# Altium PCB PCB2.PcbDoc
Units mm, origin at the board's own origin, x right, y up, seen from the top; angles counter-clockwise.
Board outline 152.4 x 101.6 mm, 2 copper layers (Top Layer, Bottom Layer); 50 components, 61 nets, 214 pads, 0 vias.
Unrouted connection lines stored in the file: 127.
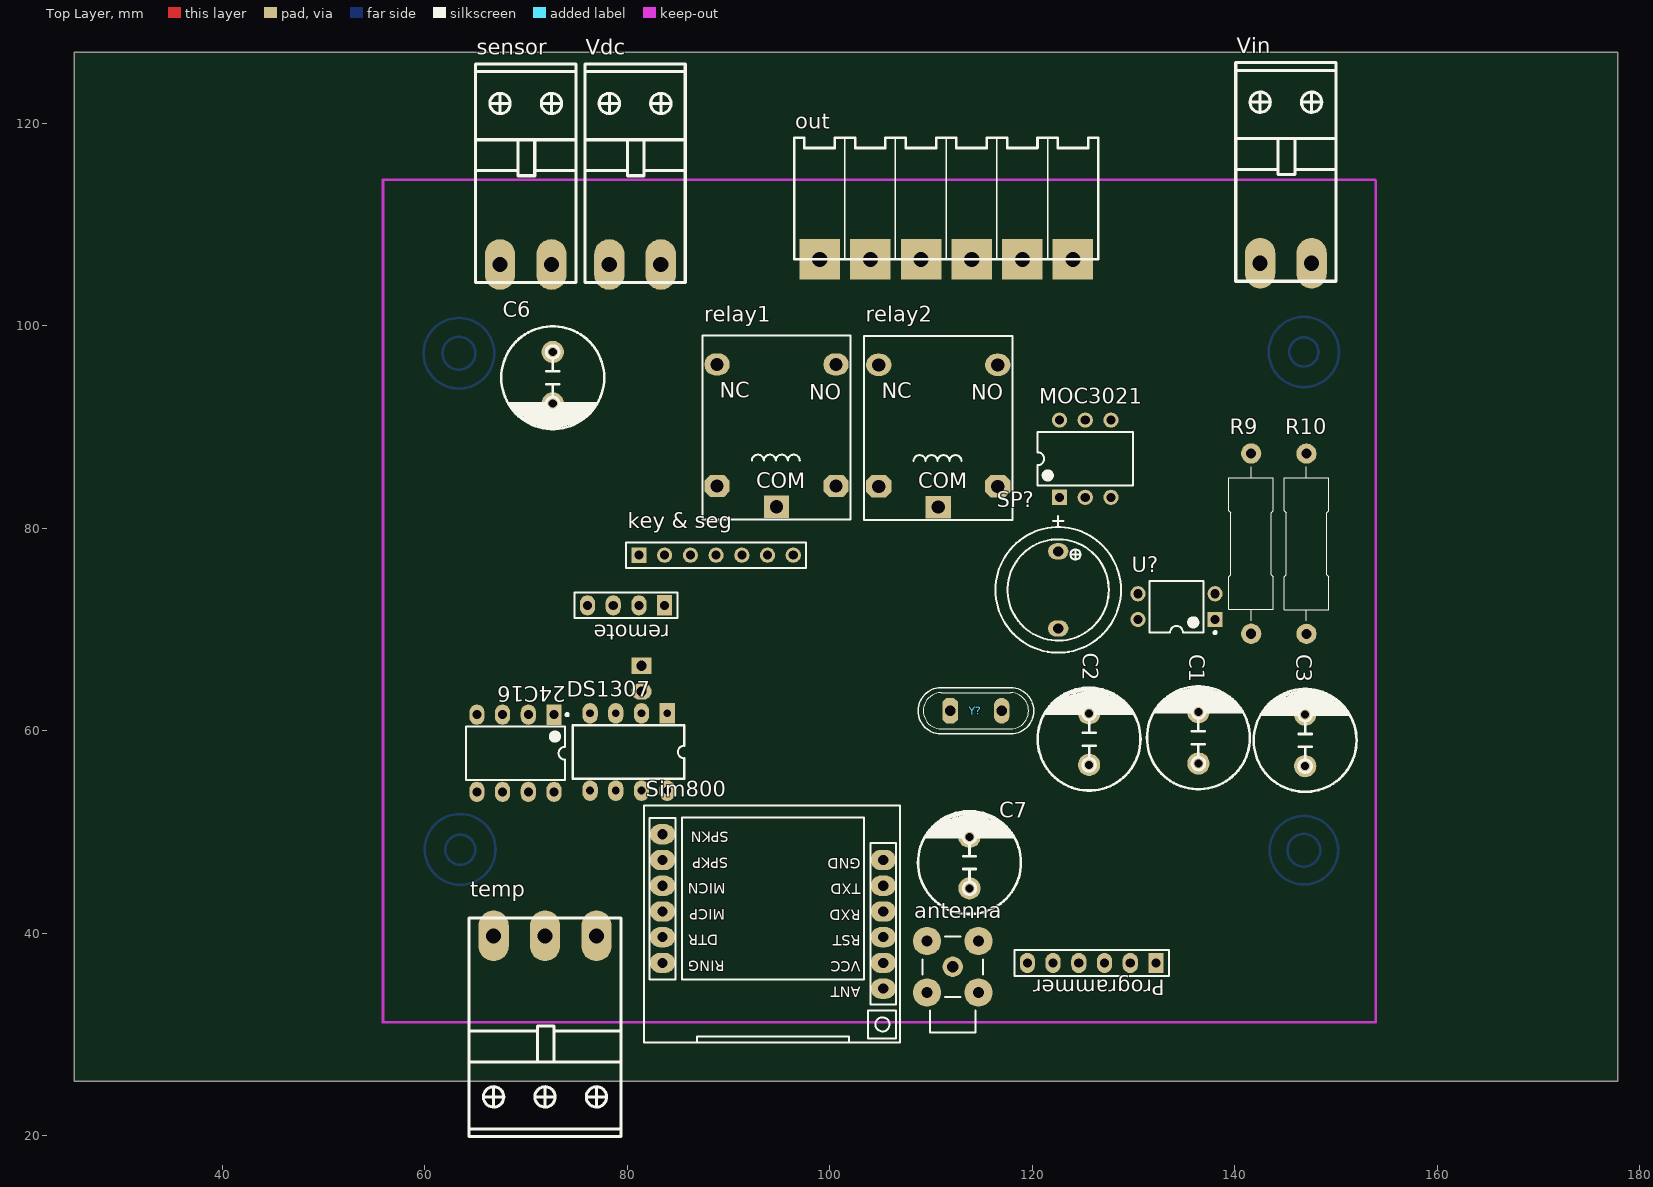
[diagram p0: Top Layer view]
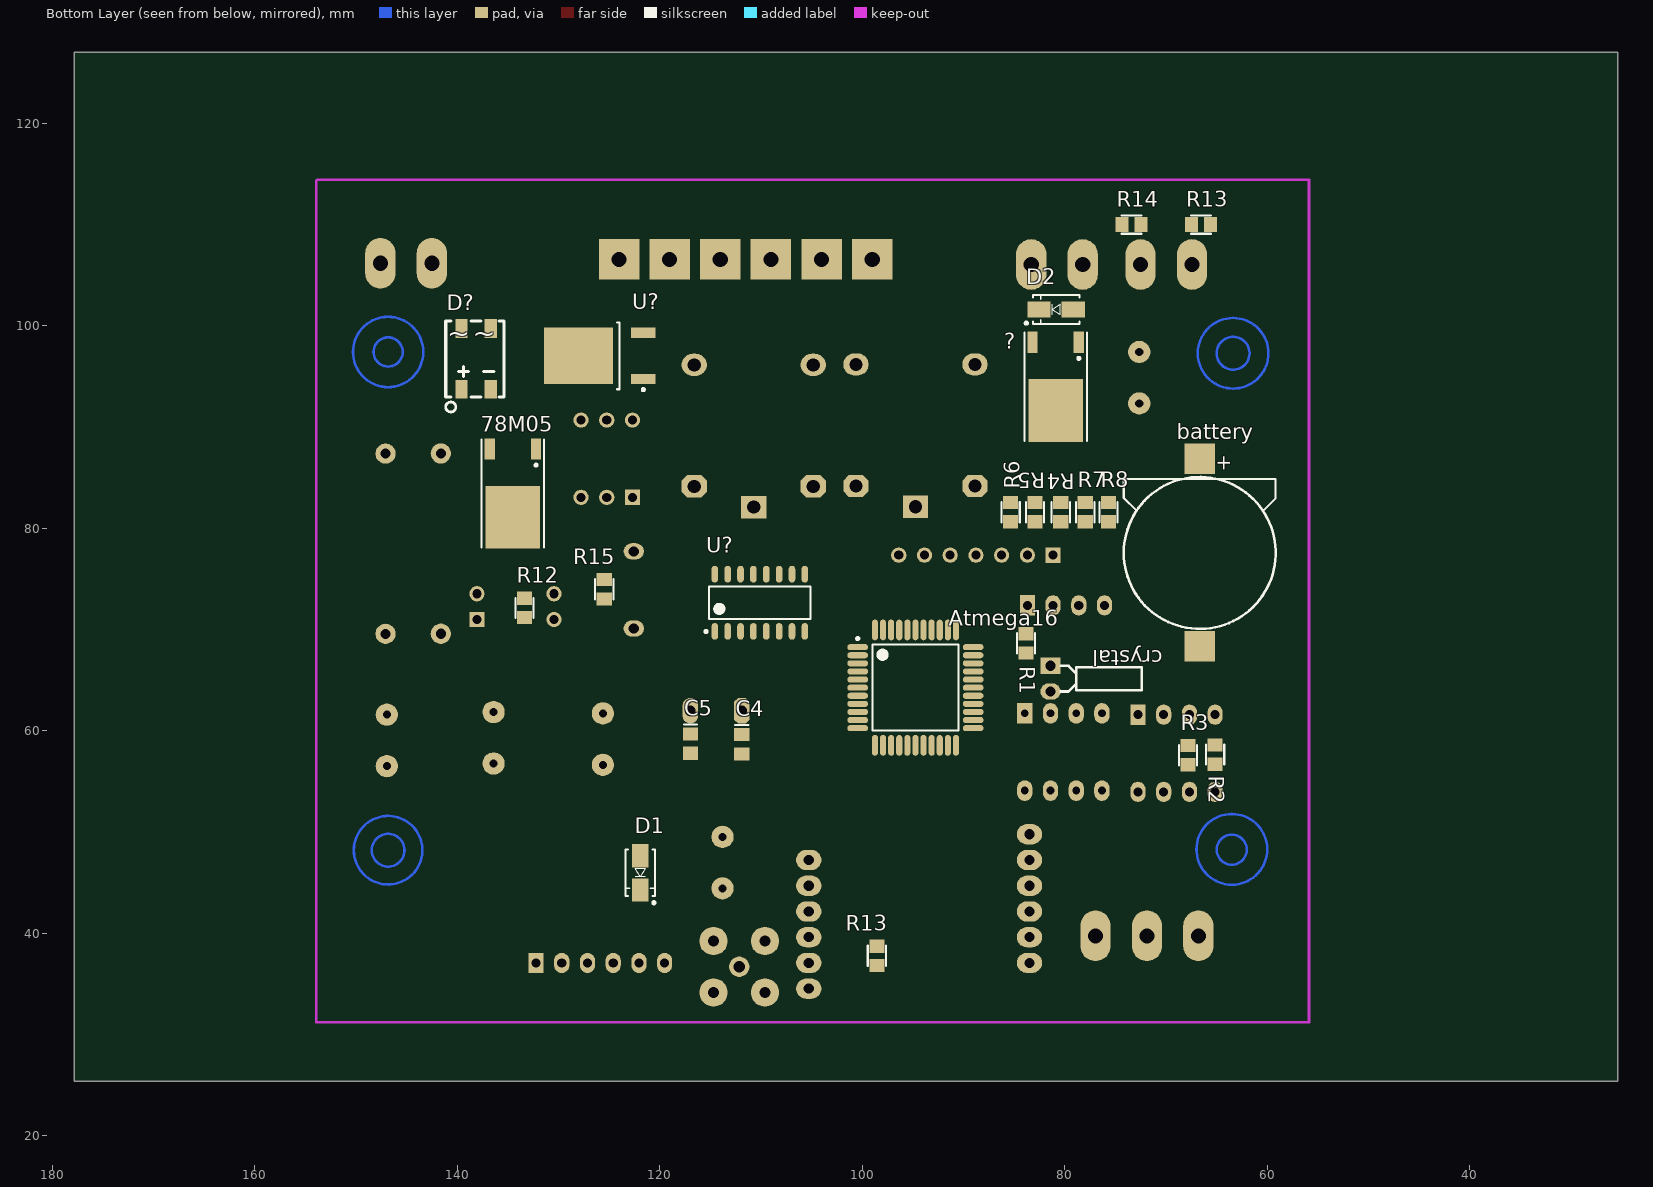
[diagram p1: Bottom Layer view, seen from below]

## Layer stack, top to bottom
Top Solder: solder mask 0.0102, Solder Resist, Dk 3.5
Top Layer: signal copper 0.0356
Dielectric 1: dielectric 0.32, FR-4, Dk 4.8
Bottom Layer: signal copper 0.0356
Bottom Solder: solder mask 0.0102, Solder Resist, Dk 3.5

## Board outline
25.4,25.4 177.8,25.4 177.8,127 25.4,127

## Design rules (kind name [scope] priority, off if disabled: settings)
Clearance [All] p1: gap=0.2 ignorepadtopadclearanceinfootprint=FALSE
PolygonConnect [All] p1: connectstyle=Relief reliefconductorwidth=0.254 reliefentries=4 polygonreliefangle="90 Angle" airgapwidth=0.254
RoutingVias [All] p1: holewidth=0.711 width=1.27 viastyle="Through Hole" minholewidth=0.711 minwidth=1.27 maxholewidth=0.711 maxwidth=1.27
SolderMaskExpansion [All] p1: expansion=0.102 istentingtop=FALSE
Width [All] p1: maxlimit=1.2 minlimit=0.4 preferedwidth=0.5
30 further rules are at their usual default settings.

## Classes and differential pairs
component class Sheet2: 24C16 78M05 ? antenna Atmega16 battery C1 C2 C3 C4 C5 C6 C7 crystal D1 D2 D? DS1307 "key & seg" MOC3021 out Programmer R1 R2 R3 R4 R5 R6 R7 R8 R9 R10 R12 R13 R14 R15 relay1 relay2 remote sensor Sim800 SP? temp U? Vdc Vin Y?

## Components (designator, comment, footprint, x,y, rotation, side; value= is the part's Value field where it differs from the comment)
24C16 "24C02C-I/P" PDIP300-P8 68.961,57.785 r270 top
78M05 "L78M05" TO-252 134.493,84.455 r0 bottom
? "L78M05" TO-252 80.899,94.996 r0 bottom
antenna "ANTENNA" SMA-Right 112.141,36.703 r90 top
Atmega16 "ATmega16-16AU" 44A_M 94.742,64.262 r180 bottom
battery "BATTERY 3V 1220" "BATT SMD" 66.675,86.868 r270 bottom (schematic designator *)
C1 "470uF" CAP_POL5 136.398,56.769 r90 top value=100pF
C2 "470uF" CAP_POL5 125.603,56.642 r90 top value=100pF
C3 "470uF" CAP_POL5 146.939,56.515 r90 top value=100pF
C4 "C0805" 0805 111.887,58.674 r270 bottom value=100pF
C5 "C0805" 0805 116.967,58.735 r270 bottom value=100pF
C6 "470uF" CAP_POL5 72.644,97.409 r270 top value=100pF
C7 "470uF" CAP_POL5 113.792,44.45 r90 top value=100pF
crystal "22pF" XTAL-DT26 81.407,66.421 r270 bottom
D1 "1n4007" DIOM4629X24N 121.92,45.974 r270 bottom
D2 "1n4007" DIOM4629X24N 80.85,101.6 r0 bottom
D? "Diode Bridge" MBF 138.123,96.726 r90 bottom
DS1307 "DS1307" DIP8 83.947,61.722 r180 top
"key & seg" "Header 7" HDR1X7 81.153,77.343 r0 top
MOC3021 "MOC3021-3" DIP-6 125.222,86.868 r90 top
out "PHOENIX 6" "phonix 6" 124.013,106.553 r180 top
Programmer "programmer" HDR1X6 132.207,37.084 r180 top
R1 "RES" CC2012-0805 83.82,68.641 r270 bottom
R2 "RES" CC2012-0805 65.151,57.658 r90 bottom
R3 "RES" CC2012-0805 67.818,57.597 r90 bottom
R4 "RES" CC2012-0805 80.391,81.595 r90 bottom
R5 "RES" CC2012-0805 82.931,81.595 r90 bottom
R6 "RES" CC2012-0805 85.344,81.595 r90 bottom
R7 "RES" CC2012-0805 77.978,81.595 r90 bottom
R8 "RES" CC2012-0805 75.692,81.595 r90 bottom
R9 "1K" "Axial 1W  7_0mm" 141.605,78.486 r270 top
R10 "1K" "Axial 1W  7_0mm" 147.066,78.476 r270 top
R12 "RES" CC2012-0805 133.35,72.136 r90 bottom
R13 "RES" CC2012-0805 66.548,109.982 r180 bottom
R13 "RES" CC2012-0805 98.552,37.785 r270 bottom
R14 "RES" CC2012-0805 73.406,109.982 r0 bottom
R15 "RES" CC2012-0805 125.476,73.98 r90 bottom
relay1 "" "Relay 18.85x15.35x15.70" 94.742,89.154 r0 top
relay2 "" "Relay 18.85x15.35x15.70" 110.711,89.114 r0 top
remote "remote" HDR1X4 83.693,72.39 r180 top
sensor "PHONIX2" PHONIX2 72.517,106.045 r0 top
Sim800 "SIM800L" SIM800L_L250W236H60 94.383,42.164 r180 top
SP? "" "BUZZER 7.62mm DC" 122.555,73.914 r270 top
temp "PHONIX3" PHONIX3 76.962,39.751 r180 top
U? "L78M05ACDT-TR" TO-252_M 125.916,97.028 r0 bottom
U? "Optoisolator1" DIP-4 134.239,72.263 r180 top
U? "ULN2003D1013TR" STM-SO-16_M 110.109,72.644 r90 bottom
Vdc "PHONIX2" PHONIX2 83.312,106.045 r0 top
Vin "PHONIX2" PHONIX2 147.574,106.172 r0 top
Y? "6 MHz" My_Crystal 114.427,61.976 r0 top

## Footprints (in the part's own frame and the unit in brackets; to place one, negate y for a bottom-side part, rotate by r counter-clockwise, add the part's x,y. Pads: shape width x height; smd on the part's side, far side on the other; paste and mask are expansions set on the pad)
44A_M [mm] "Thin QFP, 44-Leads, Body 10x10mm, Pitch 0.8mm, IPC Low Density"
  oval 2.05x0.6 smd: 1(-5.7,4) 2(-5.7,3.2) 3(-5.7,2.4) 4(-5.7,1.6) 5(-5.7,0.8) 6(-5.7,0) 7(-5.7,-0.8) 8(-5.7,-1.6) 9(-5.7,-2.4) 10(-5.7,-3.2) 11(-5.7,-4) 23(5.7,-4) 24(5.7,-3.2) 25(5.7,-2.4) 26(5.7,-1.6) 27(5.7,-0.8) 28(5.7,0) 29(5.7,0.8) 30(5.7,1.6) 31(5.7,2.4) 32(5.7,3.2) 33(5.7,4)
  oval 0.6x2.05 smd: 12(-4,-5.7) 13(-3.2,-5.7) 14(-2.4,-5.7) 15(-1.6,-5.7) 16(-0.8,-5.7) 17(0,-5.7) 18(0.8,-5.7) 19(1.6,-5.7) 20(2.4,-5.7) 21(3.2,-5.7) 22(4,-5.7) 34(4,5.7) 35(3.2,5.7) 36(2.4,5.7) 37(1.6,5.7) 38(0.8,5.7) 39(0,5.7) 40(-0.8,5.7) 41(-1.6,5.7) 42(-2.4,5.7) 43(-3.2,5.7) 44(-4,5.7)
  silkscreen extent -5.82,-4.25 4.25,4.97, body extent -5,-5 5,5, height 1.2
0805 [mm] "Chip Capacitor; Body 2.0 x 1.2 mm (LxW typ)"
  rect 1.3x1.5 smd: 1(-0.95,0) 2(0.95,0)
  silkscreen extent -1.9,-0.65 -1.9,0.65
"Axial 1W  7_0mm" [mm] "Designer Abbas Basereh"
  round 2 hole 1: 1(8.9,0) 2(-8.9,0)
  silkscreen extent -7.6,-2.2 7.6,2.2, body extent -9.26,-2.25 9.27,2.25, height 5.22
"BATT SMD" [mm]
  rect 3x3 smd: 1(0,0) 2(18.5,0)
  silkscreen extent 1.8,-7.5 16.8,7.5, body extent -0.28,-7.25 18.52,7.5, height 4.23
"BUZZER 7.62mm DC" [mm] "BUZZER 12mm DIA , 7.62mm pitch DESIGNER ABBAS BASEREH"
  oval 1.6x2 hole 1: 1(-3.81,0) 2(3.81,0)
  silkscreen extent -7.3,-6.2 6.2,6.2, body extent -6,-6 6,6, height 9.5
CAP_POL5 [mm]
  round 2.2 hole 0.8: 1(0,0) 2(5.08,0)
  silkscreen extent -2.54,-5.08 7.62,5.08, body extent -1.5,-4 6.5,4, height 12
CC2012-0805 [mm] "Surface Mount Capacitor; 0805 Case Size"
  rect 1.3x1.5 smd: 1(-0.95,0) 2(0.95,0)
  silkscreen extent -1,-0.9 1,0.9
DIOM4629X24N [mm] "Molded Diode, 2-Leads, Body 4/60x2/90mm, IPC Medium Density-Design:Abbas Basereh"
  rect 2.3x1.6 smd: 1(-1.7,0) 2(1.7,0)
  silkscreen extent -2.3,-1.45 3.07,1.47, body extent -2.5,-1.22 2.5,1.48, height 2.2
DIP8 [mil]
  rect 60x80 hole 30: 1(0,0)
  oval 60x80 hole 30: 2(100,0) 3(200,0) 4(300,0) 5(300,300) 6(200,300) 7(100,300) 8(0,300)
  silkscreen extent -67,46 367,254
DIP-4 [mm] "DIP; 4 Leads; Row Spacing 7.62 mm; Pitch 2.54 mm"
  rect 1.5x1.5 hole 0.9: 1(-3.81,1.27)
  round 1.5 hole 0.9: 2(-3.81,-1.27) 3(3.81,-1.27) 4(3.81,1.27)
  silkscreen extent -3.94,-2.55 2.65,2.69, body extent -3.15,-2.5 3.15,2.5, height 5.6
DIP-6 [mm] "DIP; 6 Leads; Row Spacing 7.62 mm; Pitch 2.54 mm"
  rect 1.5x1.5 hole 0.9: 1(-3.81,2.54)
  round 1.5 hole 0.9: 2(-3.81,0) 3(-3.81,-2.54) 4(3.81,-2.54) 5(3.81,0) 6(3.81,2.54)
  silkscreen extent -2.65,-4.7 2.65,4.7
HDR1X4 [mm] "Connector; Header; 4 Position"
  rect 1.5x2 hole 0.9: 1(0,0)
  oval 1.5x2 hole 0.9: 2(2.54,0) 3(5.08,0) 4(7.62,0)
  silkscreen extent -1.27,-1.27 8.89,1.27, body extent -1.27,-1.28 8.89,1.26, height 8.38
HDR1X6 [mm] "Connector; Header; 6 Position"
  rect 1.5x2 hole 0.9: 1(0,0)
  oval 1.5x2 hole 0.9: 2(2.54,0) 3(5.08,0) 4(7.62,0) 5(10.16,0) 6(12.7,0)
  silkscreen extent -1.27,-1.27 13.97,1.27, body extent -1.26,-1.25 13.98,1.29, height 8.38
HDR1X7 [mm] "Connector; Header; 7 Position"
  rect 1.5x1.5 hole 0.9: 1(0,0)
  round 1.5 hole 0.9: 2(2.54,0) 3(5.08,0) 4(7.62,0) 5(10.16,0) 6(12.7,0) 7(15.24,0)
  silkscreen extent -1.27,-1.27 16.51,1.27
MBF [mm]
  rect 1.85x1.2 smd: 1(-3,1.45) 2(-3,-1.45) 3(3,-1.45) 4(3,1.45)
  silkscreen extent -5.25,-2.75 3.75,3, body extent -3.5,-2.45 3.4,2.55, height 1.45
My_Crystal [mil]
  oct 60x100 hole 40: 1(-100,0)
  oval 60x100 hole 40: 2(100,0)
  silkscreen extent -225,-90 225,90
PDIP300-P8 [mm] "8-Pin Plastic Dual In-Line Package (PDIP)"
  rect 2x1.5 hole 0.9: 1(-3.81,3.81)
  oval 2x1.5 hole 0.9: 2(-3.81,1.27) 3(-3.81,-1.27) 4(-3.81,-3.81) 5(3.81,-3.81) 6(3.81,-1.27) 7(3.81,1.27) 8(3.81,3.81)
  silkscreen extent -3.93,-4.9 2.65,5.24, body extent -3.55,-4.9 3.55,4.9, height 4.32
PHONIX2 [mm]
  oval 3x5 hole 1.5: 1(0,0) 2(-5.08,0)
  silkscreen extent -7.49,-1.78 2.41,19.81
PHONIX3 [mm]
  oval 3x5 hole 1.5: 1(0,0) 2(5.08,0) 3(10.16,0)
  silkscreen extent -2.41,-1.78 12.57,19.81
"phonix 6" [mm]
  rect 4x4 hole 1.5: 1(0,0) 2(5,0) 3(10,0) 4(15,0) 5(20,0) 6(25,0)
  silkscreen extent -2.49,-11.99 27.53,0
"Relay 18.85x15.35x15.70" [mm]
  rect 2.5x2.2 hole 1.3: 1(0,-7.025)
  oval 2.5x2.2 hole 1.3: 2(-5.875,7.025) 3(5.875,7.025)
  oct 2.5x2.2 hole 1.3: 4(-5.875,-4.975) 5(5.875,-4.975)
  silkscreen extent -7.33,-8.28 7.33,9.88, body extent -7.37,-8.71 7.63,9.98, height 15.7
SIM800L_L250W236H60 [mm] "GSM/GPRS Module 25x23/6mm"
  oval 2.5x2 hole 1: 1(-10.9,7.62) 2(-10.9,5.08) 3(-10.9,2.54) 4(-10.9,0) 5(-10.9,-2.54) 6(-10.9,-5.08) 7(10.9,-7.62) 8(10.9,-5.08) 9(10.9,-2.54) 10(10.9,0) 11(10.9,2.54) 12(10.9,5.08)
  silkscreen extent -12.55,-10.45 12.72,12.95, body extent -12.55,-10.45 12.73,12.95, height 12.24
SMA-Right [mm]
  round 2 hole 1.1: 1(0,0)
  round 2.8 hole 1.1: 2(-2.54,-2.54) 2(-2.54,2.54) 2(2.54,-2.54) 2(2.54,2.54)
  silkscreen extent -6.5,-3 3,3, body extent -11.6,-3.5 3.5,3.5, height 9.86
STM-SO-16_M [mm] "SOIC, 16-Leads, Body 10x4mm, Pitch 1.27mm, IPC Low Density"
  oval 1.65x0.65 smd: 1(-2.825,4.445) 2(-2.825,3.175) 3(-2.825,1.905) 4(-2.825,0.635) 5(-2.825,-0.635) 6(-2.825,-1.905) 7(-2.825,-3.175) 8(-2.825,-4.445) 9(2.825,-4.445) 10(2.825,-3.175) 11(2.825,-1.905) 12(2.825,-0.635) 13(2.825,0.635) 14(2.825,1.905) 15(2.825,3.175) 16(2.825,4.445)
  silkscreen extent -2.95,-5 1.6,5.45, body extent -2,-5 2,5, height 1.75
TO-252 [mm] "D-PAK/TO-252-AA; 3 Leads (1 Cropped); Body 10.1 (inc. leads) x 6.6 mm (LxW max)"
  rect 1x2.1 smd: 1(-2.285,-3.375) 3(2.285,-3.375)
  rect 5.4x6.2 smd: 4(0,3.375)
  silkscreen extent -3.08,-4.33 3.08,6.37, body extent -3.27,-4.11 3.27,5.83, height 2.39
TO-252_M [mm] "D-PAK, 4-Leads, Body 6.1x6.5mm, Pitch 2.28mm, Lead Span 9.7mm, IPC Low Density"
  rect 2.4x1 smd: 1(-4.3,2.28) 3(-4.3,-2.28)
  rect 6.8x5.55 smd: 4(2.1,0)
  silkscreen extent -4.42,-3.3 -1.7,3.45, body extent -1.95,-3.3 4.25,3.3, height 2.4
XTAL-DT26 [mm]
  rect 1.6x2 hole 1: 1(0,0)
  oval 1.6x2 hole 1: 2(2.54,0)
  silkscreen extent 0,1.02 2.54,9.02, body extent -0.09,-0.28 2.69,8.1, height 2.05

## Part data
24C16: library part CMP-0159-00018-1, "2Kbit, 400kHz, 5V, I2C Serial EEPROM, 8-Pin PDIP, Industrial Temperature", Code_JEDEC=MS-001, DatasheetVersion="revJ, Aug-2008", PackageDescription="8-Lead Plastic Dual In-Line (P) - 300 mil Body [PDIP]", PackageReference=PDIP300-P8, PackageVersion="revBB, Aug-2009"
78M05 ?: "Precision 500mA Regulator"
Atmega16: library part CMP-0095-00235-2, "8-bit AVR Microcontroller, 4.5-5.5V, 16KB Flash, 512 Bytes EEPROM, 1KB SRAM, 44-pin TQFP, Industrial Grade (-40°C to 85°C), Pb-Free", Code_JEDEC=MS-026-ACB, ComponentLink1Description="Manufacturer URL", ComponentLink1URL=http://www.atmel.com/, ComponentLink2Description="ATmega16(L)  Datasheet", ComponentLink2URL=http://www.atmel.com/dyn/resources/prod_documents/doc2466.pdf, ComponentLink3Description="ATmega16(L) Summary", ComponentLink3URL=http://www.atmel.com/dyn/resources/prod_documents/2466S.pdf, DatasheetVersion="revT, Jul-2010", PackageDescription="44-Pin Plastic Thin Profile Quad Flat Pack, 10 x 10 x 1.0 mm Body, 0.8 mm Pitch (TQFP)", PackageReference=44A, PackageVersion="revC, Oct-2010", RevisionNote="DatasheetVersion & PackageVersion updated. URLs added."
C1 C2 C3 C6 C7: library part "Cap Pol3", "Polarized Capacitor (Surface Mount)", Published=8-Jun-2000, Publisher="Altium Limited", Revision="July-2002: Re-released for DXP Platform."
C4 C5: "Ceramic Chip Capacitor - Standard", PackageDocument=Mar-2001, Code_IPC=2012[0805], Code_JEITA=0805, ComponentLink1Description="Manufacturer Link", ComponentLink1URL=http://www.kemet.com/, ComponentLink2Description=Datasheet, ComponentLink2URL=http://www.kemet.com/kemet/web/homepage/kechome.nsf/vapubfilesname/F3102TA.pdf/$file/F3102TA.pdf, DatasheetDocument=Mar-2001, LatestRevisionDate=19-Mar-2004, LatestRevisionNote="Silkscreen size reduced.", Note="Footprint corresponds to dimensions for bulk cassette packaging. This case size has tightened tolerances.", PackageReference=0805, Published=17-Jul-2002, Publisher="Altium Limited"
crystal: library part "Cap Semi_1", "Capacitor (Semiconductor SIM Model)", LatestRevisionDate=29-May-2009, LatestRevisionNote="IPC-7351 Footprint Added.", PackageDescription="Chip Capacitor", PackageReference=C1206, Published=8-Jun-2000, Publisher="Altium Limited"
D1 D2: library part "1n4007 SMD M7", "Standard Rectifiers", Manufacturer="DC COMPONENTS", Data=16-12-2016, Designer="Abbas Basereh", Link=http://www.tme.eu/en/details/m7/smd-universal-diodes/dc-components/, Part. No=M7
DS1307: "64 X 8 Serial Real-Time Clock", Package Information="Latest Revision: 1999", Package Reference=DIP8, Datasheet="Latest Revision: 10-Aug-1999", Published=13-Oct-2000, Publisher="Altium Limited", Revision="17-Jul-2002: Re-released for DXP Platform."
"key & seg": "Header, 7-Pin", LatestRevisionDate=17-Jul-2002, LatestRevisionNote="Re-released for DXP Platform.", Publisher="Altium Limited"
MOC3021: "Opto-Triac", Designer="Seyed Mohsen Ghasemian", E-mail=picpars@gmail.com, LatestRevisionDate=17-11-2011, Published=17-11-2011, Publisher=www.picpars.com, WEB=www.picpars.com
Programmer: library part "Header 6", "Header, 6-Pin", LatestRevisionDate=17-Jul-2002, LatestRevisionNote="Re-released for DXP Platform.", Publisher="Altium Limited"
R1 R2 R3 R4 R5 R6 R7 R8 R12 R13 R13 R14 R15: "Resistor", DatasheetDocument=Nov-2002, Published=5-Jan-2004, Publisher="Altium Limited"
R9 R10: library part "RES Axial 1W", "RES Axial 1W", Data=4-1-2017, Desc.="RES Axial 1W", Designer="Abbas Basereh"
relay1 relay2: library part RELAY_SPDT, "Single-Pole Dual-Throw Relay", ComponentLink1Description=Datasheet, Designer="Abbas Basereh", Mounting Technology=Through-Hole, Pin Count=0, Update Date=2017-3-1
remote: library part "Header 4", "Header, 4-Pin", LatestRevisionDate=17-Jul-2002, LatestRevisionNote="Re-released for DXP Platform.", Publisher="Altium Limited"
Sim800: "GSM/GPRS Module", Publisher=3DFootprint.ir
SP?: library part "PIEZO BUZZER", "PIEZO BUZZER ACTIVE", Comment_1="SPEAKER AND BEEP", ComponentLink2Description=Reference, Design Date=1395/11/14, Designer="Abbas Basereh", Mounting Technology=THD, PackageDescription=THD, Pin Count=2, Publisher="Abbas Basereh", Status=Unreleased
U?: library part CMP-0244-00192-1, "Precision 500mA Regulator, 5V, 3-Pin DPAK, Tape and Reel", ComponentLink1Description="Manufacturer URL", ComponentLink1URL=http://www.st.com, ComponentLink2Description=Datasheet, ComponentLink2URL=http://www.st.com/internet/com/TECHNICAL_RESOURCES/TECHNICAL_LITERATURE/DATASHEET/CD00000448.pdf, DatasheetVersion=1/11/2010, PackageDescription="3-Pin Transistor Outline Package 2.28 mm Pitch, 9.7 mm Lead Span (DPAK)", PackageReference=TO-252, PackageVersion=2011
U?: "4-Pin Phototransistor Optocoupler", DatasheetVersion=Nov-2003, LatestRevisionDate=04-Mar-2005, LatestRevisionNote="Sch pins 3 & 4 Swapped.", PackageReference=DIP-4, Published=24-Mar-1999, Publisher="Altium Limited"
U?: library part CMP-2000-05374-1, "Seven NPN Darlington Array Transistor, 50 V, 500 mA, -40 to 85 degC, 8-Pin SOIC, RoHS, Tape and Reel", Collector Emitter Voltage V(br)ceo=50V, DC Collector Current=500mA, DC Current Gain hFE=1000hFE, Manufacturer=STMicroelectronics, Operating Temperature Max=85degC, Package Description="16-Pin Small Outline Integrated Circuit, Body 9.9 x 3.9 mm, Pitch 1.27 mm", Package Reference=SO-16, Power Dissipation Pd=-, Transistor Case Style=SOIC, Automotive Qualification Standard=-, Datasheet URL=https://datasheet.ciiva.com/1193/1690348-1193460.pdf, Datasheet Version="Rev. 8, 06/2012", Manufacturer URL=http://www.st.com/, MSL=MSL1-Unlimited, No. of Pins=16Pins, Product Range=-, SVHC=NoSVHC(17-Dec-2015), Transistor Polarity=NPN
Y?: library part CRYSTAL, "Crystal"

## Nets (pads, with @x,y where several pads share a name; then routed paths per layer and width w, separated by ;. In a path a pad name is that pad's centre, name@x,y a point inside that pad or via, vN(x,y) a via of type N, cw(c..) or ccw(c..) an arc to the next point about the centre after c; other vN are vias at no path point)
+3.3v: C7.1 D1.2 R13.2@98.552,36.835 Sim800.2
+5v: 24C16.8 "key & seg.6" ?.3 Atmega16.17 Atmega16.38 C6.1 DS1307.8 R1.1 R2.2 R3.2 R4.2 R5.2 R6.2 R7.2 R8.2 R13.2@65.598,109.982 R14.2 remote.1 temp.3
+12: 78M05.1 ?.1 relay1.5 relay2.5 SP?.1 U?.8 Vdc.2
buzzer: Atmega16.41 U?.1@114.554,69.819
clk: "key & seg.1" Atmega16.33 R8.1
dio: "key & seg.2" Atmega16.34 R7.1
GND: 24C16.1 24C16.2 24C16.3 24C16.4 78M05.4 "key & seg.7" ?.4 antenna.2 Atmega16.39 battery.2 C1.2 C2.2 C3.2 C4.2 C5.2 C6.2 C7.2 D2.1 DS1307.4 Programmer.6 R15.1 remote.4 Sim800.6 temp.1 U?.3@130.429,73.533 U?.9
key1: "key & seg.3" Atmega16.35 R4.1
key2: "key & seg.4" Atmega16.36 R5.1
key3: "key & seg.5" Atmega16.37 R6.1
miso: Atmega16.2 Programmer.2
mosi: Atmega16.1 Programmer.1
Netantenna_1: antenna.1 Sim800.1
Netbattery_1: battery.1 DS1307.3
Netcrystal_1: crystal.1 DS1307.1
Netcrystal_2: crystal.2 DS1307.2
NetD2_2: D2.2 Vdc.1
NetD?_1: D?.1 R10.2
NetD?_2: D?.2 R9.2
NetD?_3: D?.3 Vin.2
NetD?_4: D?.4 Vin.1
NetLabel106: Atmega16.21 Atmega16.40
NetLabel107: Atmega16.22
NetLabel108: Atmega16.23
netLabel109: 
NetLabel110: Atmega16.25
NetLabel116: Atmega16.13
NetLabel117: Atmega16.14
NetLabel118: Atmega16.15
NetLabel119: Atmega16.16
NetMOC3021_2: MOC3021.2 R15.2
NetMOC3021_4: MOC3021.4 out.1 U?.4@128.016,97.028
NetMOC3021_6: MOC3021.6 U?.1@121.616,94.748
Netout_2: out.2 U?.3@121.616,99.308
Netout_3: out.3 relay2.3
Netout_4: out.4 relay2.1
Netout_5: out.5 relay1.3
Netout_6: out.6 relay1.1
NetR9_1: R9.1 U?.2@138.049,73.533
NetR10_1: R10.1 U?.1@138.049,70.993
Netrelay1_4: relay1.4 U?.13
Netrelay2_4: relay2.4 U?.14
out1: Atmega16.43 U?.4@110.744,69.819
out2: Atmega16.42 U?.3@112.014,69.819
out3: Atmega16.44 MOC3021.1
out4: SP?.2 U?.16
poweron: Atmega16.12 R12.1 U?.4@130.429,70.993
remote: Atmega16.30 remote.2 remote.3
reset: Atmega16.4 Programmer.4
RST: Atmega16.11 R13.1@98.552,38.735 Sim800.3
RX: Atmega16.9 Sim800.5
sck: Atmega16.3 Programmer.3
scl: 24C16.6 Atmega16.19 DS1307.6 R3.1
sda: 24C16.5 Atmega16.20 DS1307.5 R2.1
sensor1: Atmega16.31 R13.1@67.498,109.982 sensor.2
sensor2: Atmega16.32 R14.1 sensor.1
temp: Atmega16.26 R1.2 temp.2
TX: Atmega16.10 Sim800.4
vcc: 78M05.3 C1.1 C2.1 C3.1 D1.1 Programmer.5 R12.2
xtal1: Atmega16.8 C4.1 Y?.1
xtal2: Atmega16.7 C5.1 Y?.2
pads on no net: 24C16.7 Atmega16.5 Atmega16.6 Atmega16.18 Atmega16.24 Atmega16.27 Atmega16.28 Atmega16.29 DS1307.7 MOC3021.3 MOC3021.5 relay1.2 relay2.2 Sim800.7 Sim800.8 Sim800.9 Sim800.10 Sim800.11 Sim800.12 U?.2@113.284,69.819 U?.5 U?.6 U?.7 U?.10 U?.11 U?.12 U?.15
copper on no net: | length 125.7
  Bottom Layer w0.254: 64.997,48.264 ccw(c63.511,48.264) 64.997,48.264 ; 65.003,97.282 ccw(c63.377,97.282) 65.003,97.282 ; 66.864,97.282 ccw(c63.377,97.282) 66.864,97.282 ; 66.992,48.299 ccw(c63.5,48.299) 66.992,48.299 ; 148.253,97.409 ccw(c146.812,97.409) 148.253,97.409 ; 148.428,48.211 ccw(c146.812,48.211) 148.428,48.211 ; 150.196,48.211 ccw(c146.812,48.211) 150.196,48.211 ; 150.283,97.409 ccw(c146.812,97.409) 150.283,97.409

## Keep-outs
Keep-Out Layer:
  lines w0.254: 55.88,31.242 55.88,114.427 153.797,114.427 153.924,114.3 153.924,31.242 55.88,31.242

## Text inside footprints (layer, text, board x,y; h text height)
battery: Bottom Overlay "+" at 64.875,87.293 h1.52 r90
D?: Bottom Overlay "~" at 138.698,99.976 h2 r180; Bottom Overlay "~" at 136.198,99.976 h2 r180
relay1: Top Overlay "COM" at 92.761,83.972 h1.5; Top Overlay "NO" at 97.993,92.71 h1.5; Top Overlay "NC" at 89.154,92.888 h1.5
relay2: Top Overlay "COM" at 108.73,83.932 h1.5; Top Overlay "NO" at 113.962,92.67 h1.5; Top Overlay "NC" at 105.123,92.848 h1.5
Sim800: Top Overlay "RING" at 89.608,37.664 h1.8 r180; Top Overlay "DTR" at 88.983,40.189 h1.8 r180; Top Overlay "MICP" at 89.683,42.739 h1.8 r180; Top Overlay "MICN" at 89.708,45.289 h1.8 r180; Top Overlay "SPKP" at 89.983,47.814 h1.8 r180; Top Overlay "SPKN" at 90.033,50.364 h1.8 r180; Top Overlay "GND" at 103.058,47.764 h1.8 r180; Top Overlay "TXD" at 103.058,45.224 h1.8 r180; Top Overlay "RXD" at 103.058,42.684 h1.8 r180; Top Overlay "RST" at 103.058,40.144 h1.8 r180; Top Overlay "VCC" at 103.058,37.604 h1.8 r180; Top Overlay "ANT" at 103.058,35.064 h1.8 r180